# Altium PCB PcbForChargeController.PcbDoc (continued)
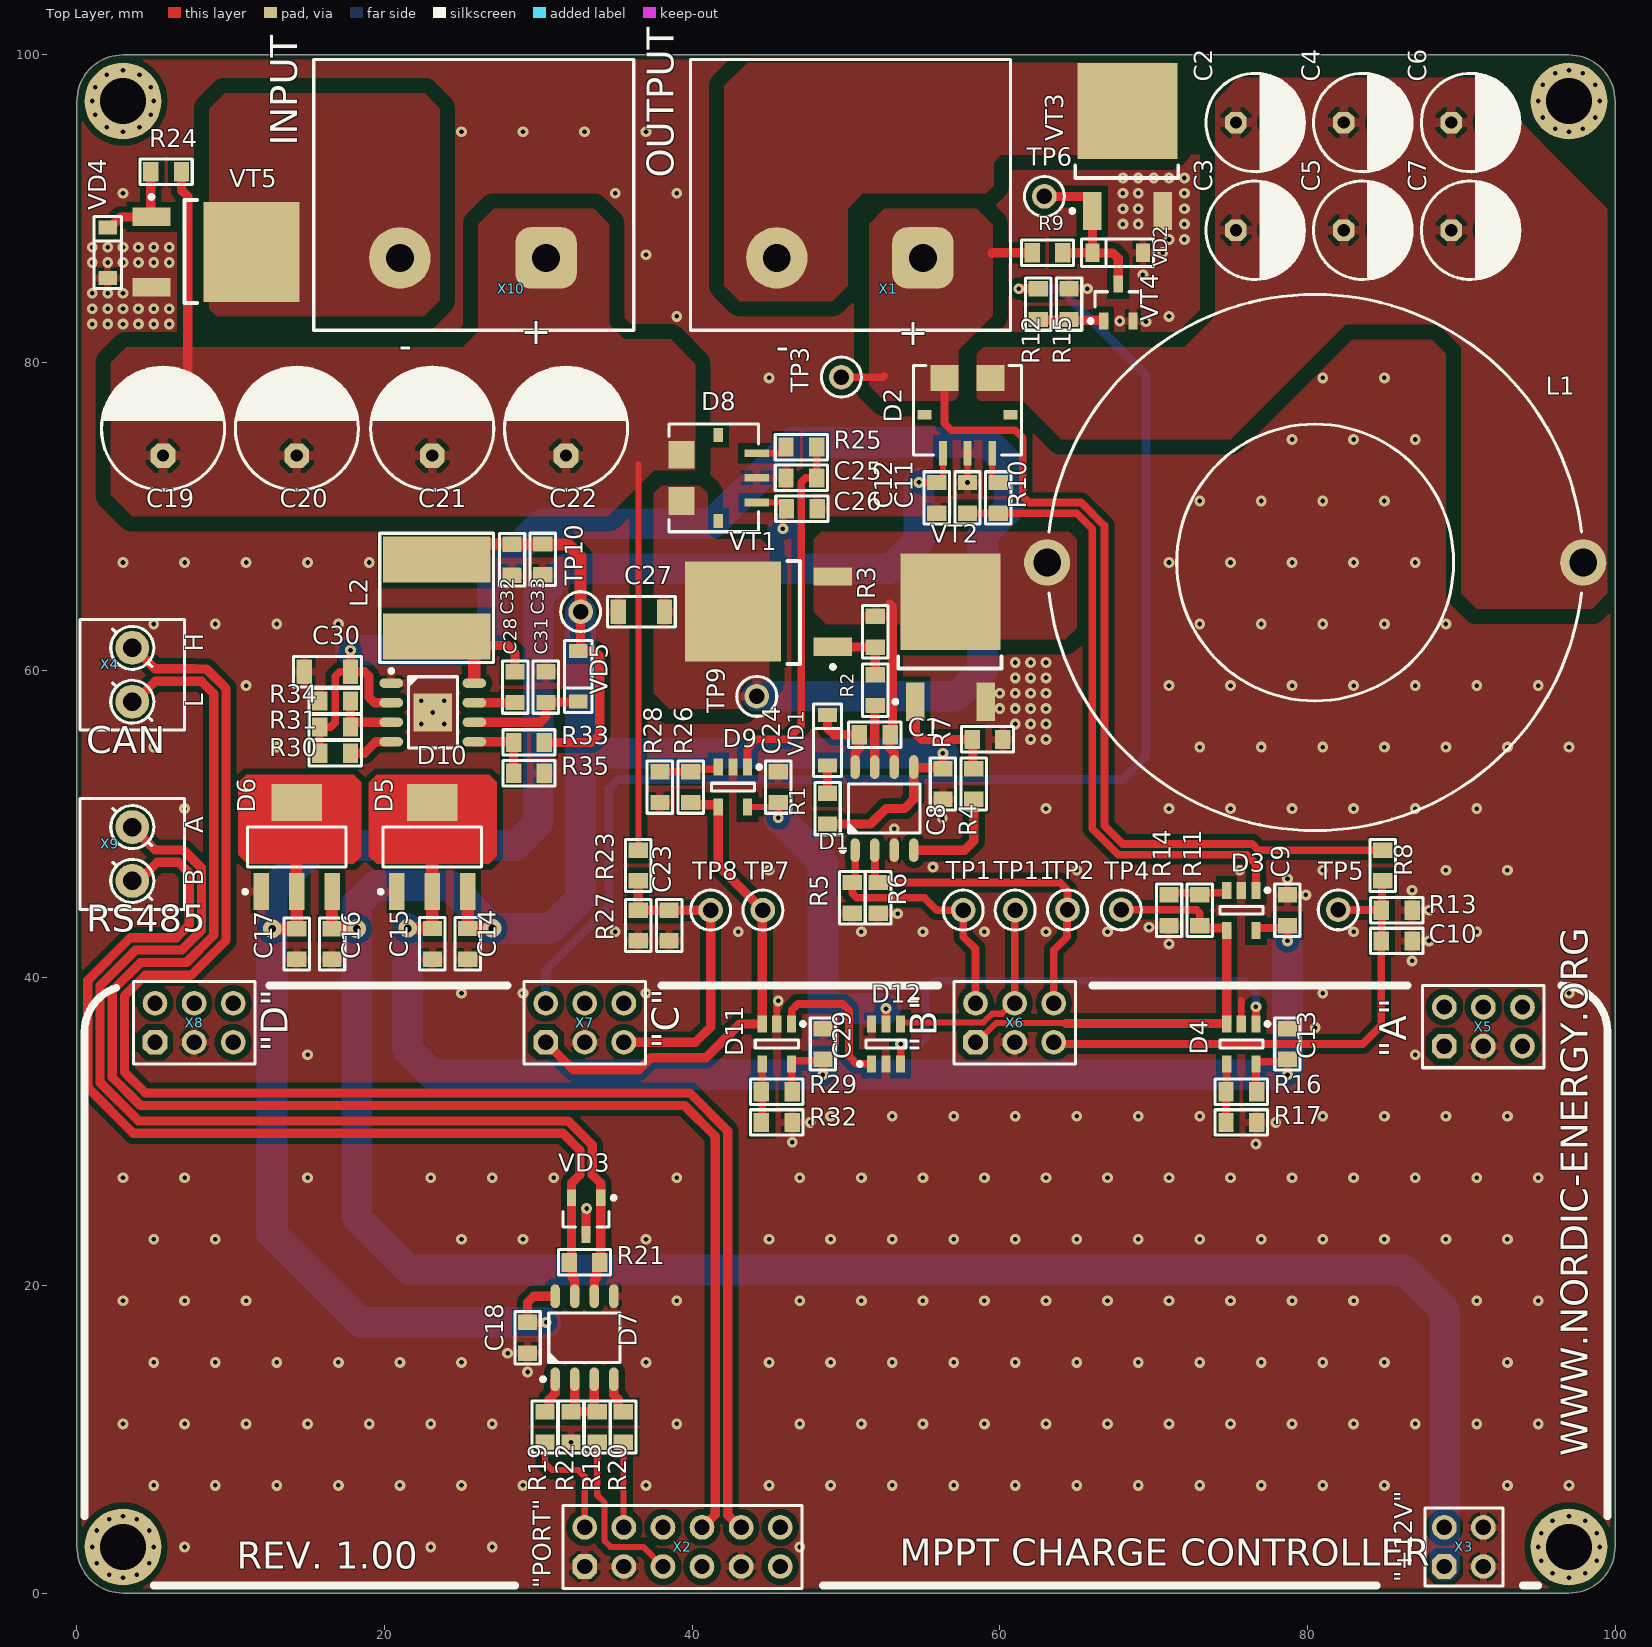
[diagram p0: Top Layer view]
## Footprints (in the part's own frame and the unit in brackets; to place one, negate y for a bottom-side part, rotate by r counter-clockwise, add the part's x,y. Pads: shape width x height; smd on the part's side, far side on the other; paste and mask are expansions set on the pad)
8-SOIC [mm] "pitch 1.27 mm"
  rrect100% 1.55x0.6 smd: 1(-2.7,1.905) 2(-2.7,0.635) 3(-2.7,-0.635) 4(-2.7,-1.905) 5(2.7,-1.905) 6(2.7,-0.635) 7(2.7,0.635) 8(2.7,1.905)
  round 0.7 on Mech1: 28(-2.395,1.8)
  silkscreen extent -2.82,-2.3 1.61,2.82, body extent -3,-2.45 3,2.45, height 1.75
8-SOIC-PAD [mm] "pitch 1.27 mm, power pad"
  round 0.7 hole 0.3: 0(-0.75,-0.75) 0(-0.75,0.75) 0(0,0) 0(0.75,-0.75) 0(0.75,0.75)
  rrect100% 1.55x0.6 smd: 1(-2.7,1.905) 2(-2.7,0.635) 3(-2.7,-0.635) 4(-2.7,-1.905) 5(2.7,-1.905) 6(2.7,-0.635) 7(2.7,0.635) 8(2.7,1.905)
  round 0.7 on Mech1: 28(-2.395,1.8)
  rect 2.5x2.5 smd: " 0"(0,0)
  silkscreen extent -2.82,-2.3 1.61,2.82, body extent -3,-2.45 3,2.45, height 1.75
"CAP: 0805" [mm]
  rect 1x1.25 smd: 1(-1,0) 2(1,0)
  silkscreen extent -1.7,-0.82 1.7,0.82, body extent -1,-0.62 1,0.63, height 0.78
"CAP: 1206" [mm]
  rect 1x1.6 smd: 1(-1.5,0) 2(1.5,0)
  silkscreen extent -2.2,-1 2.2,1, body extent -1.6,-0.8 1.6,0.8, height 1
"CAP: D6.3C2.5H11" [mm]
  oct 1.4x1.4 hole 0.8: 1(-1.25,0)
  round 1.4 hole 0.8: 2(1.25,0)
  silkscreen extent -3.2,-3.2 3.2,3.2, body extent -3.4,-3.4 3.4,3.4, height 12.5
"CAP: D8C3.5H12" [mm]
  oct 1.6x1.6 hole 0.8: 1(-1.75,0)
  round 1.6 hole 0.8: 2(1.75,0)
  silkscreen extent -4,-4 4,4, body extent -4.25,-4.25 4.25,4.25, height 13
"CON: 6PCV-02-006" [mm]
  rrect50% 4x4 hole 1.8: 1(0,0)
  round 4 hole 1.8: 2(9.5,0)
  round 0.5 on Mech1: ""(-5,4)
  round 0.5 on Top Overlay: ""(-5,4)
  silkscreen extent -5.7,-12.9 15.1,4.7, body extent -5.6,-13.2 15,4.58, height 15.96
"CON: 5001 (Keystone)" [mm]
  round 1.6 hole 1: 1(0,0)
  silkscreen extent -1.3,-1.3 1.3,1.3, body extent -1.27,-1.27 1.27,1.27, height 4.94
"CON: 5004 (Keystone)" [mm]
  round 1.6 hole 1: 1(0,0)
  silkscreen extent -1.3,-1.3 1.3,1.3, body extent -1.27,-1.27 1.27,1.27, height 4.94
"CON: DG350-3.5-02P" [mm]
  round 2.2 hole 1.2: 1(-1.75,0) 2(1.75,0)
  round 0.5 on Top Overlay: ""(-3.1,-2.9)
  silkscreen extent -3.6,-3.4 3.6,3.4, body extent -4,-3.4 4,3.4, height 8.4
"CON: PBD-4" [mm] "PBD-4"
  oct 1.6x1.6 hole 1: 1(-1.27,-1.27)
  round 1.6 hole 1: 2(-1.27,1.27) 3(1.27,-1.27) 4(1.27,1.27)
  silkscreen extent -2.54,-2.54 2.54,2.54, body extent -2.54,-2.54 2.54,2.54, height 8.53
"CON: PBD-6" [mm] "PBD-6"
  oct 1.6x1.6 hole 1: 1(-2.54,-1.27)
  round 1.6 hole 1: 2(-2.54,1.27) 3(0,-1.27) 4(0,1.27) 5(2.54,-1.27) 6(2.54,1.27)
  silkscreen extent -3.95,-2.68 3.95,2.68, body extent -3.81,-2.54 3.81,2.54, height 8.5
"CON: PBD-12" [mm] "PBD-12"
  oct 1.6x1.6 hole 1: 1(-6.35,-1.27)
  round 1.6 hole 1: 2(-6.35,1.27) 3(-3.81,-1.27) 4(-3.81,1.27) 5(-1.27,-1.27) 6(-1.27,1.27) 7(1.27,-1.27) 8(1.27,1.27) 9(3.81,-1.27) 10(3.81,1.27) 11(6.35,-1.27) 12(6.35,1.27)
  silkscreen extent -7.78,-2.7 7.78,2.7, body extent -7.61,-2.54 7.61,2.54, height 8.5
"DIODE: SOD123" [mm]
  rect 0.91x1.22 smd: 1(0,0) 2(3.275,0)
  round 0.5 on Mech1: 4(3,0.4)
  silkscreen extent -0.7,-0.9 4,0.9, body extent -0.25,-0.8 3.45,0.8, height 1.25
DPAK [mm]
  rect 2.5x1.2 smd: 1(-3.25,2.29) 2(-3.25,-2.29)
  rect 6.25x6.5 smd: 3(3.25,0)
  round 0.5 on Mech1: ""(-3.2,2.9)
  silkscreen extent -3.37,-3.3 -0.3,3.71, body extent -3.8,-3.32 6.3,3.42, height 2.37
"IND: R32.8/20.1/10.7 (L)" [mm]
  round 3 hole 1.8: 1(-17.427,0) 2(17.425,0)
  silkscreen extent -17.31,-17.43 17.31,17.43, body extent -17.43,-17.4 17.43,17.4, height 12.84
"IND: SDR0805" [mm]
  rect 3x7 smd: 1(-2.5,0) 2(2.5,0)
  silkscreen extent -4.2,-3.7 4.2,3.7, body extent -3.68,-3.75 3.68,3.75, height 5.08
"RES: 0805" [mm]
  rect 1x1.25 smd: 1(-1,0) 2(1,0)
  silkscreen extent -1.7,-0.82 1.7,0.82, body extent -1,-0.6 1,0.6, height 0.44
"SENSOR: ACS781" [mm]
  rect 0.5x1.6 smd: 1(-1.6,-2.5) 2(0,-2.5) 3(1.6,-2.5)
  rect 1.8x1.7 smd: 5(1.5,2.4) 6(-1.5,2.4)
  rect 0.9x0.6 smd: ""(-2.8,0) ""(2.8,0)
  round 0.5 on Mech1: ""(-2.7,-2.7)
  round 0.5 on Top Overlay: ""(-2.5,-3.2)
  silkscreen extent -3.5,-2.6 3.5,3.2, body extent -3.2,-3.15 3.2,3.25, height 1.46
SOT23 [mm]
  rect 1.1x0.6 smd: 1(-1.2,0.95) 2(-1.2,-0.95) 3(1.2,0)
  round 0.5 on Mech1: ""(-0.9,1.1)
  silkscreen extent -1.32,-1.5 0.7,1.92, body extent -1.32,-1.52 1.32,1.52, height 1.12
SOT23-5 [mm] "pitch 0.95 mm"
  rect 1.1x0.6 smd: 1(-1.3,0.95) 2(-1.3,0) 3(-1.3,-0.95) 4(1.3,-0.95) 5(1.3,0.95)
  round 0.5 on Mech1: ""(-1.1,1.1)
  silkscreen extent -1.42,-1.4 0.25,1.83, body extent -1.5,-1.5 1.5,1.5, height 1.3
SOT23-6 [mm] "pitch 0.95 mm"
  rect 1.1x0.6 smd: 1(-1.3,0.95) 2(-1.3,0) 3(-1.3,-0.95) 4(1.3,-0.95) 5(1.3,0) 6(1.3,0.95)
  round 0.5 on Mech1: ""(-1,1.1)
  silkscreen extent -1.42,-1.3 0.25,1.82, body extent -1.4,-1.45 1.4,1.45, height 1.45
SOT223 [mm] "SOT223, 4-Leads, Body 6,50x7,00mm (avg), Pitch 2,30mm, IPC Medium Density"
  rect 2.4x1 smd: 1(-2.9,2.3) 2(-2.9,0) 3(-2.9,-2.3)
  rect 2.4x3.3 smd: 4(2.9,0)
  round 0.5 on Mech1: ""(-3,2.7)
  silkscreen extent -3.02,-3.2 1.3,3.47, body extent -3.48,-3.25 3.48,3.25, height 1.65

## Part data
C1: library part Ceramic_0805, Manufacturer=Yageo, Package=0805, PartNumber=CC0805KKX7R8BB474, Temperature=-55...+125°C, Tolerance=±10%, TypeCapacitor="Ceramic capacitor", TypeDielectric=X7R, ValueManufacturerPartNumber="Ceramic capacitor, 0.47?F, X7R, ±10%, 25V, 0805, -55...+125°C", Voltage=25V, HelpURL=https://www.digikey.com/product-detail/en/yageo/CC0805KKX7R8BB474/311-1364-1-ND/2103148
C2 C3 C4 C5 C6 C7: library part Aluminium, Manufacturer="Aihua Group", Package="12x6.3x2.5 mm", PartNumber=SPZ1VM221E12O00, Temperature=-55...+105°C, Tolerance=±20%, TypeCapacitor="Aluminium polymer capacitor", ValueManufacturerPartNumber="Aluminium polymer capacitor, 220?F, 35V, ±20%, 30mOhm, 12x6.3x2.5 mm, -55...+105°C", Voltage=35V, HelpURL=https://lcsc.com/product-detail/Solid-Polymer-Electrolytic-Capacitor_220uF-35V_C171433.html, Impedance=30mOhm
C8 C32 C33: library part Ceramic_0805, Manufacturer=Samsung, Package=0805, PartNumber=CL21B106KOQNNNG, Temperature=-55...+125°C, Tolerance=±10%, TypeCapacitor="Ceramic capacitor", TypeDielectric=X7R, ValueManufacturerPartNumber="Ceramic capacitor, 10?F, X7R, ±10%, 16V, 0805, -55...+125°C", Voltage=16V, HelpURL=https://www.digikey.com/product-detail/en/samsung-electro-mechanics/CL21B106KOQNNNG/1276-6472-1-ND/5958100
C9 C12 C13 C14 C16 C18 C24 C26 C29: library part Ceramic_0805, Manufacturer=Yageo, Package=0805, PartNumber=CC0805KRX7R7BB104, Temperature=-55...+125°C, Tolerance=±10%, TypeCapacitor="Ceramic capacitor", TypeDielectric=X7R, ValueManufacturerPartNumber="Ceramic capacitor, 0.1?F, X7R, ±10%, 16V, 0805, -55...+125°C", Voltage=16V, HelpURL=https://www.digikey.com/product-detail/en/yageo/CC0805KRX7R7BB104/311-1142-1-ND/303052
C10 C11 C23 C25 C28: library part Ceramic_0805, Manufacturer=Yageo, Package=0805, PartNumber=CC0805KRX7R9BB103, Temperature=-55...+125°C, Tolerance=±10%, TypeCapacitor="Ceramic capacitor", TypeDielectric=X7R, ValueManufacturerPartNumber="Ceramic capacitor, 0.01?F, X7R, ±10%, 50V, 0805, -55...+125°C", Voltage=50V, HelpURL=https://www.digikey.com/product-detail/en/yageo/CC0805KRX7R9BB103/311-1136-1-ND/303046
C15 C17: library part Ceramic_0805, Manufacturer=Samsung, Package=0805, PartNumber=CL21B106KQQNNNE, Temperature=-55...+125°C, Tolerance=±10%, TypeCapacitor="Ceramic capacitor", TypeDielectric=X7R, ValueManufacturerPartNumber="Ceramic capacitor, 10?F, X7R, ±10%, 6.3V, 0805, -55...+125°C", Voltage=6.3V, HelpURL=https://www.digikey.com/product-detail/en/samsung-electro-mechanics/CL21B106KQQNNNE/1276-1113-1-ND/3889199
C19 C20 C21 C22: library part Aluminium, Manufacturer=Panasonic, Package="12x8x3.5 mm", PartNumber=63SXE33M, Temperature=-55...+105°C, Tolerance=±20%, TypeCapacitor="Aluminium capacitor", ValueManufacturerPartNumber="Aluminium capacitor, 33?F, 63V, ±20%, 25mOhm, 12x8x3.5 mm, -55...+105°C", Voltage=63V, HelpURL=https://www.digikey.com/products/en?keywords=%2063SXE33M, Impedance=25mOhm
C27 C30: library part Ceramic_1206, Manufacturer=Samsung, Package=1206, PartNumber=CL31B105KCHNNNE, Temperature=-55...+125°C, Tolerance=±10%, TypeCapacitor="Ceramic capacitor", TypeDielectric=X7R, ValueManufacturerPartNumber="Ceramic capacitor, 1?F, X7R, ±10%, 100V, 1206, -55...+125°C", Voltage=100V, HelpURL=https://www.digikey.com/product-detail/en/samsung-electro-mechanics/CL31B105KCHNNNE/1276-1838-1-ND/3889924
C31: library part Ceramic_0805, Manufacturer=Yageo, Package=0805, PartNumber=CC0805KKX7R7BB225, Temperature=-55...+125°C, Tolerance=±10%, TypeCapacitor="Ceramic capacitor", TypeDielectric=X7R, ValueManufacturerPartNumber="Ceramic capacitor, 2.2?F, X7R, ±10%, 16V, 0805, -55...+125°C", Voltage=16V, HelpURL=https://www.digikey.com/product-detail/en/yageo/CC0805KKX7R7BB225/311-1881-1-ND/5195783
D1: library part NCP5183DR2G, "Gate driver", CurrentOutput=±4.3A, Frequency=500kHz, Manufacturer="ON Semiconductor", Package=8-SOIC, Temperature=-40...+125°C, VoltageSupply="supply 9...18V", VoltageWork=600V, ComponentType="Half-bridge gate driver", HelpURL=https://www.digikey.com/product-detail/en/on-semiconductor/NCP5183DR2G/NCP5183DR2GOSCT-ND/7066807, PartNumber=NCP5183DR2G, ValueManufacturerPartNumber="Half-bridge gate driver, 600V, 500kHz, ±4.3A, supply 9...18V, -40...+125°C, 8-SOIC"
D2 D8: library part ACS780, "Current sensors", Manufacturer="Allegro MicroSystems", Package=7-PSOF, PartNumber=ACS780LLRTR-050U-T, Temperature=-40...+150°C, Accuracy=±1.5%, ComponentType="IC current sensors", GainBandwidth="120 kHz", HelpURL=https://www.digikey.com/product-detail/en/allegro-microsystems-llc/ACS780LLRTR-050U-T/620-1818-1-ND/6189107, Sensing=50A, Sensitivity=60mV/A, Supply=4.5...5.5V, ValueManufacturerPartNumber="IC current sensors, 50A, ±1.5%, 120 kHz, 60mV/A, -40...+150°C, 7-PSOF"
D3 D9: library part LMV321IDBVR, "OP amplifier", Manufacturer="Texas Instruments", Package=SOT23-5, Temperature=-40...+125°C, ComponentType="IC op amplifier", GainBandwidth="1 MHz", HelpURL=https://www.digikey.com/product-detail/en/texas-instruments/LMV321IDBVR/296-9567-1-ND/379849, OutputType=Rail-to-Rail, PartNumber=LMV321IDBVR, Supply=2.7...5.5V, ValueManufacturerPartNumber="IC op amplifier, Rail-to-Rail, 1 MHz, 2.7...5.5V, -40...+125°C, SOT23-5"
D4 D11: library part MCP6541T-I/OT, "Comparator", Manufacturer="Microchip Technology", Package=SOT23-5, Temperature=-40...+85°C, ComponentType="IC comparator", HelpURL=https://www.digikey.com/product-detail/en/microchip-technology/MCP6541T-I-OT/MCP6541T-I-OTCT-ND/3622387, OutputType=Rail-to-Rail, PartNumber=MCP6541T-I/OT, Supply=1.6...5.5V, ValueManufacturerPartNumber="IC comparator, Rail-to-Rail, 1.6...5.5V, -40...+85°C, SOT23-5"
D5: library part LDL1117S33R, "Linear voltage regulator", CurrentOutput=1.2A, Manufacturer=STMicroelectronics, Package=SOT223, Temperature=-40...+85°C, VoltageInput="input 3.9...18V", VoltageOutput="output 3.3V", ComponentType="Linear voltage regulator", HelpURL=https://www.digikey.com/product-detail/en/stmicroelectronics/LDL1117S33R/497-17239-1-ND/7102079, MaxDropout=0.6V, PartNumber=LDL1117S33R, ValueManufacturerPartNumber="Linear voltage regulator, input 3.9...18V, 0.6V, output 3.3V, 1.2A, -40...+85°C, SOT223"
D6: library part LDL1117S33R, "Linear voltage regulator", CurrentOutput=1.2A, Manufacturer=STMicroelectronics, Package=SOT-223, PartNumber=LDL1117S50R, Temperature=-40...+85°C, VoltageInput="input 5.6...18V", VoltageOutput="output 5V", ComponentType="Linear voltage regulator", HelpURL=https://www.digikey.com/product-detail/en/stmicroelectronics/LDL1117S50R/497-17240-6-ND/7102088, MaxDropout=0.6V, ValueManufacturerPartNumber="Linear voltage regulator, input 5.6...18V, 0.6V, output 5V, 1.2A, -40...+85°C, SOT-223"
D7: library part SN65HVD3082EDR, "RS485", Manufacturer="Texas Instruments", Package=8-SOIC, Temperature=-40...+85°C, ComponentType="IC RS485 transceiver", DataRate="200 kbps", HelpURL=https://www.digikey.com/product-detail/en/texas-instruments/SN65HVD3082EDR/296-31719-1-ND/3505195, PartNumber=SN65HVD3082EDR, Supply=4.5...5.5V, TypeDuplex=Half-duplex, ValueManufacturerPartNumber="IC RS485 transceiver, 200 kbps, Half-duplex, 4.5...5.5V, -40...+85°C, 8-SOIC"
D10: library part LM5017MRX, "Buck converter", CurrentOutput=0.6A, Frequency=1MHz, Manufacturer="Texas Instruments", Package=8-SOIC, PartNumber=LM5017MRX/NOPB, Temperature=-40...+125°C, VoltageInput="input 7.5...100V", VoltageOutput="output 1.225...90V", ComponentType="DC/DC buck converter", HelpURL=https://www.digikey.com/product-detail/en/texas-instruments/LM5017SD-NOPB/LM5017SD-NOPBCT-ND/3137455, ValueManufacturerPartNumber="DC/DC buck converter, input 7.5...100V, 1MHz, output 1.225...90V, 0.6A, -40...+125°C, 8-SOIC"
D12: library part SN74LVC1G332DBVR, "OR", Manufacturer="Texas Instruments", Package=SOT23-6, Temperature=-40...+125°C, ComponentType="IC logic OR", HelpURL=https://www.digikey.com/product-detail/en/texas-instruments/SN74LVC1G332DBVR/296-18587-1-ND/857355, PartNumber=SN74LVC1G332DBVR, Supply=1.65...5.5V, ValueManufacturerPartNumber="IC logic OR, 1.65...5.5V, -40...+125°C, SOT23-6"
L1: library part Inductor_R32.8/20.1/10.7, Manufacturer=Magnetics, Package=R32.8/20.1/10.7, PartNumber=0077548A7, Tolerance=±10%, TypeInductor="Fixed inductor", ValueManufacturerPartNumber="Fixed inductor, 30?H, ±10%, R32.8/20.1/10.7, Kool Mu, µ=125, 127 íÃí/âèòêîâ2", AL="127 íÃí/âèòêîâ2", HelpURL=http://ferrite.ru/warehouse/r-32-820-110-7-77548-a7.html, MaterialPermeability=µ=125, TypeMatiriel="Kool Mu"
L2: library part Inductor_SDR0805, Manufacturer=Bourns, MaxCurrent=490mA, Package=SDR0805, PartNumber=SDR0805-221KL, Temperature=-40...+125°C, Tolerance=±10%, TypeInductor="Fixed inductor", ValueManufacturerPartNumber="Fixed inductor, 220?H, ±10%, SDR0805, 490mA, -40...+125°C", HelpURL=https://www.digikey.com/product-detail/en/bourns-inc/SDR0805-221KL/SDR0805-221KLCT-ND/2127164
R1 R2 R4: library part Resistor_0805, Manufacturer=Yageo, Package=0805, PartNumber=RC0805JR-072R4L, Power=0.125W, Temperature=-55...+125°C, Tolerance=±5%, TypeResistor="Resistor film", HelpURL=https://www.digikey.com/product-detail/en/yageo/RC0805JR-072R4L/311-2.4ARCT-ND/731220, ValueManufacturerPartNumber="Resistor film, 2R4, ±5%, 0805, 0.125W, -55...+125°C"
R3 R5 R6 R7 R9 R15 R17 R22 R24 R32: library part Resistor_0805, Manufacturer=Yageo, Package=0805, PartNumber=RC0805JR-0710KL, Power=0.125W, Temperature=-55...+125°C, Tolerance=±5%, TypeResistor="Resistor film", HelpURL=https://www.digikey.com/product-detail/en/yageo/RC0805JR-0710KL/311-10KARCT-ND/731188, ValueManufacturerPartNumber="Resistor film, 10k, ±5%, 0805, 0.125W, -55...+125°C"
R8 R23 R31: library part Resistor_0805, Manufacturer=Yageo, Package=0805, PartNumber=RC0805FR-07100KL, Power=0.125W, Temperature=-55...+125°C, Tolerance=±1%, TypeResistor="Resistor film", HelpURL=https://www.digikey.com/product-detail/en/yageo/RC0805FR-07100KL/311-100KCRCT-ND/730491, ValueManufacturerPartNumber="Resistor film, 100k, ±1%, 0805, 0.125W, -55...+125°C"
R10 R12 R18 R19 R20 R25: library part Resistor_0805, Manufacturer=Yageo, Package=0805, PartNumber=RC0805JR-07100RL, Power=0.125W, Temperature=-55...+125°C, Tolerance=±5%, TypeResistor="Resistor film", HelpURL=https://www.digikey.com/product-detail/en/yageo/RC0805JR-07100RL/311-100ARCT-ND/731185, ValueManufacturerPartNumber="Resistor film, 100R, ±5%, 0805, 0.125W, -55...+125°C"
R11 R13 R14 R26 R28 R34 R35: library part Resistor_0805, Manufacturer=Yageo, Package=0805, PartNumber=RC0805FR-0710KL, Power=0.125W, Temperature=-55...+125°C, Tolerance=±1%, TypeResistor="Resistor film", HelpURL=https://www.digikey.com/product-detail/en/yageo/RC0805FR-0710KL/311-10.0KCRCT-ND/730482, ValueManufacturerPartNumber="Resistor film, 10k, ±1%, 0805, 0.125W, -55...+125°C"
R16 R29: library part Resistor_0805, Manufacturer=Yageo, Package=0805, PartNumber=RC0805JR-071KL, Power=0.125W, Temperature=-55...+125°C, Tolerance=±5%, TypeResistor="Resistor film", HelpURL=https://www.digikey.com/product-detail/en/yageo/RC0805JR-071KL/311-1.0KARCT-ND/731165, ValueManufacturerPartNumber="Resistor film, 1k, ±5%, 0805, 0.125W, -55...+125°C"
R21: library part Resistor_0805, Manufacturer=Yageo, Package=0805, PartNumber=RC0805JR-07120RL, Power=0.125W, Temperature=-55...+125°C, Tolerance=±5%, TypeResistor="Resistor film", HelpURL=https://www.digikey.com/product-detail/en/yageo/RC0805JR-07120RL/311-120ARCT-ND/731194, ValueManufacturerPartNumber="Resistor film, 120R, ±5%, 0805, 0.125W, -55...+125°C"
R27: library part Resistor_0805, Manufacturer=Yageo, Package=0805, PartNumber=RC0805FR-074K7L, Power=0.125W, Temperature=-55...+125°C, Tolerance=±1%, TypeResistor="Resistor film", HelpURL=https://www.digikey.com/product-detail/en/yageo/RC0805FR-074K7L/311-4.70KCRCT-ND/730876, ValueManufacturerPartNumber="Resistor film, 4k7, ±1%, 0805, 0.125W, -55...+125°C"
R30: library part Resistor_0805, Manufacturer=Yageo, Package=0805, PartNumber=RC0805JR-07510KL, Power=0.125W, Temperature=-55...+125°C, Tolerance=±5%, TypeResistor="Resistor film", HelpURL=https://www.digikey.com/product-detail/en/yageo/RC0805JR-07510KL/311-510KARCT-ND/731291, ValueManufacturerPartNumber="Resistor film, 510k, ±5%, 0805, 0.125W, -55...+125°C"
R33: library part Resistor_0805, Manufacturer=Yageo, Package=0805, PartNumber=RC0805FR-0788K7L, Power=0.125W, Temperature=-55...+125°C, Tolerance=±1%, TypeResistor="Resistor film", HelpURL=https://www.digikey.com/product-detail/en/yageo/RC0805FR-0788K7L/311-88.7KCRCT-ND/731128, ValueManufacturerPartNumber="Resistor film, 88k7, ±1%, 0805, 0.125W, -55...+125°C"
TP1 TP2 TP3 TP4 TP5 TP6 TP7 TP8 TP9 TP10 TP11: library part Connector_Test_Point, Manufacturer=Keystone, PartNumber=5001, HelpURL=https://www.digikey.com/product-detail/en/keystone-electronics/5001/36-5001-ND/255327, TypeConnector="Test point", ValueManufacturerPartNumber="Test point, Keystone, 5001"
VD1 VD5: library part Schottky_single, Current=500mA, Manufacturer="Diodes Incorporated", Package=SOD-123, PartNumber=MBR0580S1-7, Temperature=-55...+150°C, Voltage=80V, VoltageDrop=1V, HelpURL=https://www.digikey.com/product-detail/en/diodes-incorporated/MBR0580S1-7/MBR0580S1-7DICT-ND/5080371, RecoveryTime=15pF, TypeDiode="Schottky diode", ValueManufacturerPartNumber="Schottky diode, 80V, 500mA, 1V, 15pF, SOD-123, -55...+150°C"
VD2 VD4: library part Zener_single, Current=500mW, Manufacturer="Diodes Incorporated", Package=SOD-123, PartNumber=MMSZ5246B-7-F, Temperature=-65...+150°C, Voltage=16V, VoltageDrop=0.9V, HelpURL=https://www.digikey.com/product-detail/en/diodes-incorporated/MMSZ5246B-7-F/MMSZ5246B-FDICT-ND/717912, RecoveryTime=17Ohm, TypeDiode="Zener diode", ValueManufacturerPartNumber="Zener diode, 16V, 500mW, 0.9V, 17Ohm, SOD-123, -65...+150°C"
VD3: library part TVS_array, Current="350W peak", Manufacturer="ON Semiconductor", Package=SOT-23, PartNumber=SZNUP2105LT1G, Temperature=-55...+150°C, Voltage=24V, VoltageDrop=0.9V, HelpURL=https://www.digikey.com/product-detail/en/on-semiconductor/SZNUP2105LT1G/SZNUP2105LT1GOSCT-ND/3487669, RecoveryTime=30pF, TypeDiode="TVS diode", ValueManufacturerPartNumber="TVS diode, 24V, 350W peak, 0.9V, 30pF, SOT-23, -55...+150°C"
VT1 VT2 VT3 VT5: library part MOSFET_N_132, CurrentDS=90A, InputCapacitor=4750pF, Manufacturer="Infineon Technologies", MaxPower=150W, Package=Dpak, PartNumber=IPD053N08N3GATMA1, Temperature=-55...+150°C, VoltageDS=80V, GateCharge=69nC, HelpURL=https://www.digikey.com/product-detail/en/infineon-technologies/IPD053N08N3GATMA1/IPD053N08N3GATMA1CT-ND/5353500, RDS=5.3mOhm, TypeTransistor="MOSFET N-channel transistor", ValueManufacturerPartNumber="MOSFET N-channel transistor, 80V, 90A, 69nC, 150W, 5.3mOhm, 4750pF, Dpak, -55...+150°C"
VT4: library part MOSFET_N_132, CurrentDS=5.3A, InputCapacitor=382pF, Manufacturer="Infineon Technologies", MaxPower=2.5W, Package=SOT-23, PartNumber=IRLML0030TRPBF, Temperature=-55...+150°C, VoltageDS=30V, GateCharge=2.6nC, HelpURL=https://www.digikey.com/product-detail/en/infineon-technologies/IRLML0030TRPBF/IRLML0030TRPBFCT-ND/2202231, RDS=27mOhm, TypeTransistor="MOSFET N-channel transistor", ValueManufacturerPartNumber="MOSFET N-channel transistor, 30V, 5.3A, 2.6nC, 2.5W, 27mOhm, 382pF, SOT-23, -55...+150°C"
X1 X10: library part Connector_6PCV-02, CurrentMax=25A, Manufacturer="TE Connectivity", PartNumber=6PCV-02-006, VoltageMax=300VAC, CommentText="\"Solar panel\"", HelpURL=https://www.digikey.com/products/en?keywords=6PCV-02-006, Multichannel=2pin, Pitch=9.53mm, TypeConnector=Connector, ValueManufacturerPartNumber="Connector, 2pin, 9.53mm, 300VAC, 25A"
X2: library part PBD-12, CurrentMax=3A, Manufacturer=Connfly, VoltageMax=500VAC, CommentText="\"Èíòåðôåéñû\"", HelpURL=https://www.chipdip.ru/product/pbd-12, Multichannel=12pin, PartNumber=PBD-12, Pitch=2.54mm, TypeConnector=Connector, ValueManufacturerPartNumber="Connector, 12pin, 2.54mm, 500VAC, 3A"
X3: library part PBD-4, CurrentMax=3A, Manufacturer=Connfly, VoltageMax=500VAC, CommentText="\"Ïèòàíèå\"", HelpURL=https://www.chipdip.ru/product/pbd-4, Multichannel=4pin, PartNumber=PBD-4, Pitch=2.54mm, TypeConnector=Connector, ValueManufacturerPartNumber="Connector, 4pin, 2.54mm, 500VAC, 3A"
X4 X9: library part Connector_terminal_2pin, CurrentMax=10A, Manufacturer=Degson, PartNumber=DG350-3.5-02P-14, VoltageMax=300VAC, HelpURL=https://www.chipdip.ru/product/dg350-3.5-02p-12, Multichannel=2pin, Pitch=3.5mm, TypeConnector="Terminal connector", ValueManufacturerPartNumber="Terminal connector, 2pin, 3.5mm, 300VAC, 10A"
  X4: CommentText="\"CAN bus\""
  X9: CommentText="\"Modbus RTU\""
X5 X6 X7 X8: library part PBD-6, CurrentMax=3A, Manufacturer=Connfly, VoltageMax=500VAC, HelpURL=https://www.chipdip.ru/product/pbd-6, Multichannel=6pin, PartNumber=PBD-6, Pitch=2.54mm, TypeConnector=Connector, ValueManufacturerPartNumber="Connector, 6pin, 2.54mm, 500VAC, 3A"
  X5: CommentText="\"Êàíàë À\""
  X6: CommentText="\"Êàíàë Â\""
  X7: CommentText="\"Êàíàë Ñ\""
  X8: CommentText="\"Êàíàë D\""

## Free pads (board coordinates)
  round 5 hole 3: ""(3,3) ""(3,97) ""(97,3) ""(97,97)

## Via types
v1: diameter 0.7, hole 0.3, Top Layer to Bottom Layer, tented both sides, 367 vias
v2: diameter 1.2, hole 0.5, Top Layer to Bottom Layer, tented both sides, 4 vias

## Nets (pads, with @x,y where several pads share a name; then routed paths per layer and width w, separated by ;. In a path a pad name is that pad's centre, name@x,y a point inside that pad or via, vN(x,y) a via of type N, cw(c..) or ccw(c..) an arc to the next point about the centre after c; other vN are vias at no path point)
ADC-IIN: D9.4 D11.3 R26.1 TP7.1 X7.1 | length 33.4
  Top Layer w0.6: X7.1 32.29,34 36.5,34 37.3,34.8 40.9,34.8 43.1,37 D11.3 44.55,44.35 TP7.1 41.7,47.3 D9.4 41.7,51.2 41.65,51.25 40.05,51.25 R26.1
ADC-IOUT: D3.4 D4.3 R11.1 TP4.1 X6.1 | length 30.9
  Top Layer w0.4: X6.1 58.496,35.81 59.746,37.06 64.265,37.06 64.3,37.025
  Top Layer w0.5: TP4.1 72.78,44.42 73,44.2 R11.1
  Top Layer w0.6: 64.3,37.025 74.75,37.025 D3.4 74.75,43.24 73.15,43.24 R11.1
ADC-VIN: C23.2 R23.2 R27.1 TP8.1 X7.5 | length 20.3
  Top Layer w0.6: X7.5 40.21,35.81 41.2,36.8 TP8.1 C23.2 R27.1 R23.2
ADC-VOUT: C10.2 R8.2 R13.1 TP5.1 X6.5 | length 34.1
  Top Layer w0.5: X6.5 63.61,35.7 83.6,35.7 84.8,36.9 C10.2 84.85,42.45 84.85,46.25 R8.2 ; TP5.1 82.01,44.41 84.79,44.41 R13.1
CAN-H: X2.10 X4.1 | length 103.6
  Top Layer w0.6: X4.1 3.728,61.45 5.078,60.1 7.62,60.1 ; 7.62,60.08 8.425,60.08 9.7,58.805 9.7,42.437 7.436,40.173 4.447,40.173 3.1,38.826 3.1,33.863 4.443,32.52 6.617,32.52 39.84,32.52 42.32,30.04 42.32,5.08 43.18,4.22 X2.10
CAN-L: X2.8 X4.2 | length 102.2
  Top Layer w0.6: X4.2 3.768,57.95 5.098,59.28 8.093,59.28 8.9,58.473 8.9,42.769 7.131,41 4.142,41 2.3,39.158 2.3,33.531 4.131,31.7 6.437,31.7 39.5,31.7 41.5,29.7 41.5,5.1 40.64,4.24 X2.8
DISABLE: R12.1 X7.2 | length 88.1
  Top Layer w0.6: v1(61.236,84.8) R12.1
  Bottom Layer w0.6: X7.2 30.48,40.48 34.6,44.6 34.6,52.3 35.2,52.9 67.97,52.9 69.5,54.43 69.5,79.203 63.903,84.8 v1(61.236,84.8)
FAULT: D12.4 TP11.1 X6.4 | length 14
  Top Layer w0.4: D12.4 53.65,37.1 58.938,37.1 59.498,37.66 60.14,37.66 60.83,38.35 X6.4
  Top Layer w0.5: X6.4 60.98,38.37 60.98,44.38 TP11.1
GND: "D10. 0" C2.2 C3.2 C4.2 C5.2 C6.2 C7.2 C8.1 C9.1 C10.1 C11.1 C12.1 C13.1 C14.1 C15.1 C16.1 C17.1 C18.1 C19.2 C20.2 C21.2 C22.2 C23.1 C24.1 C25.1 C26.1 C27.1 C29.1 C30.1 C31.1 C32.1 C33.1 D1.3 D2.2 D3.2 D4.2 D5.1 D6.1 D7.5 D8.2 D9.2 D10.0 D10.1 D11.2 D12.2 D12.6 R5.2 R6.2 R7.2 R13.2 R14.2 R15.2 R17.2 R22.2 R27.2 R28.2 R32.2 R34.2 R35.2 VD2.1 VD3.3 VD4.1 VT2.2 VT3.2 VT4.2 VT5.2 X2.1 X2.3 X2.9 X3.3 X3.4 X5.3 X6.3 X7.3 X8.3 | length 6.5
  Top Layer w0.4: D11.2 45.5,38.361 v1@45.509,38.37 ; v1(57.9,72.2) D2.2 ; D4.2 75.7,38.561
  Top Layer w0.6: VD3.3 v1@33.1,24.964
  other v1: 7,3 23,3 27,3 47,3 5,7 9,7 13,7 17,7 21,7 25,7 29,7 37,7 45,7 49,7 53,7 57,7 61,7 65,7 69,7 73,7 77,7 81,7 85,7 93,7 97,7 32.125,9.8 3,11 7,11 11,11 15,11 19,11 23,11 27,11 39,11 47,11 51,11 55,11 59,11 63,11 67,11 71,11 75,11 79,11 83,11 87,11 91,11 95,11 29.3,14.375 5,15 9,15 13,15 17,15 21,15 25,15 37,15 45,15 49,15 53,15 57,15 61,15 65,15 69,15 73,15 77,15 81,15 85,15 93,15 28,15.6 3,19 7,19 11,19 39,19 47,19 51,19 55,19 59,19 63,19 67,19 71,19 75,19 79,19 83,19 91,19 95,19 5,23 9,23 25,23 29,23 37,23 45,23 49,23 53,23 57,23 61,23 65,23 69,23 73,23 77,23 81,23 85,23 89,23 93,23 33.136,25 3,27 7,27 15,27 23,27 27,27 31,27 39,27 47,27 51,27 55,27 59,27 63,27 67,27 71,27 75,27 79,27 83,27 87,27 91,27 95,27 76.65,29.2 46.5,29.314 47.675,30.6 77.944,30.6 49,31 53,31 57,31 61,31 65,31 69,31 73,31 81,31 85,31 89,31 93,31 15,35 87,35 80.5,36.766 45.6,38.5 25,39 29,39 37,39 81,39 97,39 86.8,41.1 71,42.204 87.897,42.398 35,43 43,43 51,43 55,43 59,43 63,43 67,43 83,43 91,43 69.7,43.286 53.356,44.165 87.897,44.4 79.9,45.39 86.8,45.69 78.7,46.44 45,47 65,47 75.6,47 81,47 89,47 93,47 55.65,47.2 53.135,49.69 56.25,50.389 7,51 63,51 71,51 75,51 79,51 83,51 87,51 91,51 5,55 13,55 73,55 77,55 81,55 85,55 89,55 93,55 97,55 62,55.5 63,55.5 61,56.5 62,56.5 63,56.5 60,57.5 61,57.5 62,57.5 63,57.5 60,58.5 61,58.5 62,58.5 63,58.5 11,59 71,59 75,59 79,59 83,59 87,59 91,59 95,59 61,59.5 62,59.5 63,59.5 61,60.5 62,60.5 63,60.5 5,63 9,63 13,63 17,63 73,63 77,63 81,63 85,63 89,63 3,67 7,67 11,67 15,67 19,67 71,67 75,67 79,67 83,67 87,67 73,71 77,71 81,71 85,71 79,75 83,75 87,75 45,79 81,79 85,79 1,82.5 2,82.5 3,82.5 4,82.5 5,82.5 6,82.5 69.5,82.654 67.8,82.7 39,83 71,83 1,83.5 2,83.5 3,83.5 4,83.5 5,83.5 6,83.5 1,84.5 2,84.5 3,84.5 65.693,84.8 69.3,85.7 1,86.5 2,86.5 3,86.5 4,86.5 5,86.5 6,86.5 37,87 70.59,87.145 1,87.5 2,87.5 3,87.5 4,87.5 5,87.5 6,87.5 71,88 72,88 68,89 69,89 72,89 68,90 69,90 72,90 3,91 35,91 39,91 68,91 69,91 72,91 68,92 69,92 70,92 71,92 72,92 25,95 29,95 33,95 37,95
NetC1_1: C1.1 D1.6 L1.2 R3.2 VT1.2 VT2.3 | length 10.9
  Top Layer w0.6: 52.825,64.3 53.025,64.1 53.025,55.96 C1.1 52.865,54.9 53.135,54.63 D1.6
NetC1_2: C1.2 D1.8 VD1.2 | length 5.3
  Top Layer w0.6: VD1.2 48.8,56.24 49.24,55.8 C1.2 50.865,54.9 50.595,54.63 D1.8
NetC11_2: C11.2 D3.1 R10.1 | length 41.2
  Top Layer w0.5: C11.2 R10.1 65.01,70.2 66.01,69.2 66.01,49.69 67.7,48 76.05,48 76.65,47.4 D3.1@76.65,45.79
NetC19_1: C19.1 C20.1 C21.1 C22.1 D8.5 R23.1 R24.1 X10.1 | length 39
  Top Layer w0.4: R23.1 36.5,73.4
  Top Layer w0.6: R24.1 6.8,91.2 7.2,90.8 7.2,78.66
NetC25_2: C25.2 D9.1 R25.1 | length 24.2
  Top Layer w0.5: D9.1 43.6,54.9 44.2,55.5 46.2,55.5 47.1,56.4 47.1,72.207 47.393,72.5 C25.2 R25.1
NetC28_1: C28.1 D10.8 L2.2 | length 9.3
  Top Layer w0.6: L2.2 23.99,61.6 25.34,61.6 27.99,61.6 28.49,61.1 C28.1
  Top Layer w0.8: L2.2@25.34,61.6 25.84,61.1 D10.8@25.84,59.3
NetC28_2: C28.2 D10.7 | length 2.7
  Top Layer w0.6: D10.7 28.475,57.885 C28.2
NetC31_2: C31.2 D10.6 VD5.2 | length 7.9
  Top Layer w0.6: D10.6 30.138,56.615 30.49,56.966 C31.2 30.52,57.931 32.559,57.931 VD5.2
NetD1_4: D1.4 R4.1 | length 6.8
  Top Layer w0.6: D1.4 57.7,48.3 58.3,48.9 R4.1
NetD1_7: D1.7 R2.1 | length 4
  Top Layer w0.6: D1.7 51.865,57.665 R2.1
NetD2_3: D2.3 R10.2 | length 2.1
  Top Layer w0.4: D2.3 59.5,72.5 59.8,72.2 R10.2
NetD2_6: D2.6 R8.1 R9.1 TP3.1 X1.1 | length 62.1
  Top Layer w0.5: TP3.1 52.393,79.05 52.493,79.15 ; D2.6 56.4,76.05 56.85,75.6 61,75.6 61.5,75.1 61.5,71.3 61.9,70.9 65.229,70.9 65.3,70.9 66.8,69.4 66.8,49.9 68,48.7 76.4,48.7 76.8,48.3 R8.1
  Top Layer w0.6: 59.5,87.1 59.538,87.138 R9.1 R9.1@62.15,87.138
NetD3_3: D3.3 R11.2 R14.1 | length 3.9
  Top Layer w0.5: R14.1 71.15,45.54 74.7,45.54 74.75,45.59 D3.3
NetD4_4: D4.4 R16.2 R17.1 | length 3.8
  Top Layer w0.5: R17.1 74.7,31.975 74.75,32.025 D4.4
NetD7_1: D7.1 R19.2 | length 2.5
  Top Layer w0.6: R19.2@30.38,11.8 R19.2 30.505,11.8 30.705,12 30.705,12.605 31.095,12.995 D7.1
NetD7_2: D7.2 D7.3 R18.2 R22.1 | length 6.1
  Top Layer w0.6: R22.1 R22.1@32.165,11.8 ; D7.2 32.365,12 R22.1@32.165,11.8 ; D7.3 33.635,11.99 R18.2 R22.1@32.165,11.8
NetD7_4: D7.4 R20.2 | length 2.4
  Top Layer w0.6: D7.4 34.905,12.895 35.2,12.6 35.2,12 35.4,11.8 R20.2
NetD8_3: D8.3 R25.2 | length 2.5
  Top Layer w0.4: D8.3 R25.2@46.2,74.1 ; R25.2@45.8,74.1 46.1,74.4 R25.2
NetD9_3: D9.3 R26.2 R28.1 | length 4
  Top Layer w0.5: R28.1 R26.2 40.05,53.55 41.65,53.55 41.7,53.6 D9.3
NetD10_3: D10.3 R31.1 R34.1 | length 4.4
  Top Layer w0.6: R31.1 R31.1@17.79,56.415 ; R34.1 R31.1@17.79,56.415 ; D10.3 17.99,56.615 R31.1@17.79,56.415
NetD10_4: D10.4 R30.2 | length 3
  Top Layer w0.6: R30.2 18.69,54.6 19.435,55.345 D10.4
NetD10_5: D10.5 R33.1 R35.1 | length 4.6
  Top Layer w0.6: D10.5 28.345,55.345 R33.1 R35.1
NetD11_4: D11.4 R29.2 R32.1 | length 3.8
  Top Layer w0.5: R32.1 44.55,30.65 D11.4
NetR1_2: R1.2 VD1.1 | length 1.8
  Top Layer w0.6: R1.2 VD1.1
NetR2_2: R2.2 R3.1 VT1.1 | length 4.6
  Top Layer w0.6: VT1.1 49.155,61.505 51.895,61.505 R3.1 R2.2
NetR4_2: R4.2 R7.1 VT2.1 | length 7.9
  Top Layer w0.6: VT2.1 54.51,55.89 54.9,55.5 R7.1 58.25,55.45 58.25,53.65 R4.2
NetR9_2: R9.2 TP6.1 VD2.2 VT3.1 VT4.3 | length 12.3
  Top Layer w0.6: TP6.1@62.7,90.5 TP6.1@62.9,90.5 ; TP6.1 65.76,90.8 66.01,90.55 VT3.1 66.017,89.843 66.017,87.145 VD2.2 ; R9.2 VD2.2 ; VT4.3 67.7,86.769 67.349,87.12 66.042,87.12 VD2.2
NetR12_2: R12.2 R15.1 VT4.1 | length 4.3
  Top Layer w0.6: R12.2 62.55,82.75 66.75,82.75 VT4.1
NetR24_2: R24.2 VD4.2 VT5.1 | length 6.1
  Top Layer w0.6: VD4.2 2.155,88.775 2.845,89.465 VT5.1 4.8,89.515 R24.2
NetVT3_3: VT3.3 X1.2
NetVT5_3: VT5.3 X10.2
OCP-INPUT: D11.1 D12.1 | length 9.6
  Top Layer w0.5: D11.1 46.475,37.025 46.475,37.9 46.875,38.3 49.8,38.3 50.2,37.9 50.2,34.9 50.7,34.4 D12.1
OCP-OUTPUT: D4.1 D12.3 | length 30.4
  Top Layer w0.5: D12.3 v1(53.55,35.7) ; D4.1 76.6,37.05 76.65,37.1 v1(76.65,38.125)
  Bottom Layer w0.5: v1(53.55,35.7) 54.8,35.7 55.2,36.1 55.2,39.3 55.7,39.8 75.95,39.8 76.65,39.1 v1(76.65,38.125)
PWM-CH1: D1.1 R5.1 TP1.1 X6.2 | length 16.9
  Top Layer w0.5: D1.1 50.595,46.395 R5.1 50.4,45.5 50.7,45.2 55.1,45.2 55.9,44.4 TP1.1 57.62,42.68 58.42,41.88 X6.2
PWM-CH2: D1.2 R6.1 TP2.1 X6.6 | length 22.4
  Top Layer w0.5: D1.2 51.884,48.281 51.884,46.416 R6.1 63.9,46.2 64.4,45.7 TP2.1 64.37,44.39 64.37,42.67 63.5,41.8 X6.6
RS485-A: D7.6 R21.1 VD3.1 X9.1 | length 68
  Top Layer w0.6: X9.1 5.091,48.309 6.931,48.309 8.1,47.14 8.1,43.1 6.8,41.8 3.811,41.8 1.5,39.489 1.5,33.2 4,30.7 31.931,30.7 33.5,29.131 33.5,27.2 34.05,26.65 VD3.1 34.05,21.825 33.825,21.6 33.8,21.6 33.8,20.5 33.635,20.335 D7.6
RS485-B: D7.7 R21.2 VD3.2 X9.2 | length 66.4
  Top Layer w0.6: X9.2 4.011,46.3 5.219,47.509 6.6,47.509 7.3,46.809 7.3,43.431 6.469,42.6 3.479,42.6 0.7,39.821 0.7,32.869 3.669,29.9 31.6,29.9 32.7,28.8 32.7,27.2 32.15,26.65 VD3.2 32.15,21.65 32.2,21.6 32.2,20.5 32.365,20.335 D7.7
RS485-DIR: R18.1 X2.5 | length 11.1
  Top Layer w0.4: R18.1 33.825,6.375 34.3,5.9 34.3,3.4 34.7,3 36.83,3 X2.5
USART2-RX: R19.1 X2.2 | length 7.6
  Top Layer w0.4: R19.1 30.425,8.48 30.905,8 32.6,8 33.02,7.58 X2.2
USART2-TX: R20.1 X2.4 | length 5.5
  Top Layer w0.4: X2.4@35.543,4.287 R20.1@35.543,9.783
  Top Layer w0.6: R20.1 R20.1@35.543,9.783 ; X2.4@35.543,4.287 X2.4
VCC3V3: C9.2 C13.2 C15.2 C24.2 C29.2 D3.5 D4.5 D5.2 D5.4 D9.5 D11.5 D12.5 R16.1 R29.1 | length 123.7
  Top Layer w0.4: D9.5 C24.2@45.6,51.1
  Top Layer w0.5: v1(45.6,50.4) 45.6,51.1 C24.2 ; R29.1 46.475,32.625 46.475,34.375 D11.5 46.45,34.55 46.5,34.6 48.5,34.6 C29.2 C29.2@48.5,34.8 ; v1(48.5,33.7) C29.2@48.5,34.5 ; D12.5 v1(52.6,38) ; D3.5 76.65,43.19 76.7,43.24 78.55,43.24 C9.2 v1(78.7,42.4) ; R16.1 76.65,32.55 D4.5 76.65,34.5 76.7,34.55 78.55,34.55 C13.2 v1(78.7,33.7)
  Top Layer w0.8: v2(21.51,43.209) 23.1,43.209 C15.2@23.105,43.214 ; D5.4 D5.2 23.105,45.595 C15.2@23.105,43.214 ; C15.2 C15.2@23.105,43.214
  Bottom Layer w2: v2(21.51,43.209) 21.51,35.329 23.14,33.7 v1(48.5,33.7) ; v1(45.6,50.4) 48.5,47.5 48.5,37.9 ; v1(52.6,38) 48.6,38 48.5,37.9 ; v1(78.7,42.4) v1(78.7,33.7) v1(48.5,33.7) ; v1(48.5,33.7) 48.5,37.9
VCC5V: C12.2 C17.2 C18.2 C26.2 D2.1 D6.2 D6.4 D7.8 D8.1 | length 130.2
  Top Layer w0.4: D8.1 45.834,70.9 46.134,70.6 C26.2 45.9,70.266 v1(45.9,69.2) ; C12.2 56,72.2 56.3,72.5 D2.1
  Top Layer w0.5: v1(54.744,72.207) 55.893,72.207 C12.2
  Top Layer w0.6: v1(30.505,17.6) C18.2 29.3,18.9 29.7,19.3 D7.8
  Top Layer w0.8: v2(12.692,43.197) 14.282,43.197 C17.2@14.287,43.203 ; D6.4@14.282,51.388 14.282,45.588 14.287,45.583 C17.2@14.287,43.203 ; C17.2@14.292,43.197 C17.2 C17.2@14.287,43.203
  Bottom Layer w2: v1(30.505,17.6) 18.423,17.6 12.692,23.33 v2(12.692,43.197) 12.692,45.692 15.6,48.6 28.5,48.6 30,50.1 30,64.82 31.78,66.6 46.138,66.6 ; v1(45.9,69.2) 45.9,66.838 46.138,66.6 ; v1(54.744,72.207) 54.744,68.439 52.905,66.6 46.138,66.6
VCC12V: C8.2 C14.2 C16.2 C32.2 C33.2 D1.5 D5.3 D6.3 L2.1 R1.1 R33.2 TP10.1 VD5.1 X3.1 X3.2 | length 215.2
  Top Layer w0.6: R33.2 33.445,55.3 33.99,55.845 33.99,60.9 33.653,61.236 VD5.1 32.745,61.391 TP10.1 ; R1.1 51.595,50 52.595,51 53.805,51 54.405,51.6 D1.5@54.405,53.65 ; D1.5 D1.5@54.405,53.65 ; C8.2 C8.2@56.25,53.65 ; v1(56.3,54.6) 56.3,53.7 C8.2@56.25,53.65 ; D1.5@54.405,53.65 C8.2@56.25,53.65
  Top Layer w0.8: D6.3@16.582,45.588 16.587,45.583 16.587,43.203 C16.2 16.592,43.197 16.597,43.203 16.603,43.197 v2(18.192,43.197) ; L2.1 24.39,68.2 C32.2@28.29,68.2 ; D5.3 25.405,45.595 25.405,43.214 C14.2 25.416,43.214 25.421,43.209 v2(27.01,43.209) ; C32.2 31.925,68.175 32.745,67.355 TP10.1
  Bottom Layer w2: v2(18.192,43.197) 18.192,24.408 21.6,21 86.3,21 88.93,18.37 X3.1@88.93,1.76 ; v2@18.2,43.3 18.2,44.8 19.4,46 24.219,46 v2(27.01,43.209) 30.809,43.209 32.745,45.145 TP10.1 ; 32.9,54.6 v1(56.3,54.6)
VCCIN: C27.2 C30.2 D8.6 D10.2 R30.1 R31.2 TP9.1 VT1.3 | length 93.2
  Top Layer w0.5: R30.1 R31.2 16.49,56.3 16.79,56.6 16.79,59.6 17.09,59.9 C30.2
  Top Layer w0.6: v1(17.79,61.3) C30.2 18.69,59.9 18.99,59.6 18.99,58.236 19.341,57.885 D10.2
  Bottom Layer w2: v1(17.79,61.3) 25.607,61.3 27.01,62.703 27.01,66.257 30.276,69.523 41.323,69.523 46.6,74.8 59.18,74.8 60.58,73.4 60.58,70.5 58.881,68.801 58.881,60 57.181,58.3 TP9.1
VOUT: C2.1 C3.1 C4.1 C5.1 C6.1 C7.1 D2.5 L1.1
pads on no net: D1.28 D2. D3. D4. D5. D6. D7.28 D8. D9. D10.28 D11. D12. VD1.4 VD2.4 VD3. VD4.4 VD5.4 VT1. VT2. VT3. VT4. VT5. X1. X2.6 X2.7 X2.11 X2.12 X4. X5.1 X5.2 X5.4 X5.5 X5.6 X7.4 X7.6 X8.1 X8.2 X8.4 X8.5 X8.6 X9. X10.
copper on no net:
  other v1: 3,1 97,1 2.1,1.2 3.9,1.2 95.93,1.3 98.07,1.3 1.3,1.93 4.7,1.93 95.2,2.1 98.8,2.1 1,3 5,3 95,3 99,3 95.2,3.9 98.8,3.9 1.3,4.07 4.7,4.07 95.93,4.7 98.07,4.7 2.1,4.8 3.9,4.8 3,5 97,5 3,95 97,95 96.1,95.2 97.9,95.2 1.93,95.3 4.07,95.3 95.3,95.93 98.7,95.93 1.2,96.1 4.8,96.1 1,97 5,97 95,97 99,97 1.2,97.9 4.8,97.9 95.3,98.07 98.7,98.07 1.93,98.7 4.07,98.7 96.1,98.8 97.9,98.8 3,99 97,99

## Polygon pours and split planes (outlines as drawn)
GND on Top Layer "Top Layer-GND" (solid, remove dead copper, pour order 20): 0,0 0,100 100,100 100,0
NetC1_1 on Top Layer "Top Layer-NetC1_1" (solid, pour order 18): 48.7,63 47.9,63.8 47.9,68.5 48.4,69 64.5,69 65,68.5 65,62.735 64.265,62 53.55,62 53.55,63
NetC19_1 on Top Layer "Top Layer-NetC19_1" (solid, pour order 0): 27.1,90 26.1,89 26.1,82 25.1,81 3.2,81 2.2,80 2.2,71.4 3.6,70 34.534,70 37.534,73 40.2,73 40.2,79.9 38.6,81.5 35.6,81.5 34.6,82.5 34.6,89 33.6,90
VCCIN on Top Layer "Top Layer-VIN" (solid, pour order 12): 40.5,72 41,71.5 41,69 41.5,68.5 44.478,68.5 45,67.978 45,58 44.5,57.5 38.5,57.5 37.5,58.5 37.5,71.5 38,72
VOUT on Top Layer "Top Layer-VOUT" (solid, pour order 8): 99.5,65 99.5,90 91,98.5 75.5,98.5 74,97 74,83 72,81 58.9,81 58.5,80.6 58.5,77.7 58.7,77.5 61.5,77.5 64,75 75,75 80,80 82.5,82.5 88.5,82.5 90,81 90,65 91,64 98.5,64
NetD2_6 on Top Layer "Top Layer-NetD2_6" (solid, pour order 6): 57.3,77.8 57.3,80.8 59.538,83.038 59.538,88.962 58.5,90 52.501,90 51.5,88.999 51.5,78.5 52.5,77.5 57,77.5
NetVT3_3 on Top Layer "Top Layer-NetVT3_3" (solid, pour order 4): 42.1,98 43.6,99.5 71.1,99.5 71.6,99 71.6,94 71.1,93.5 60.1,93.5 59.6,93 59.6,91.5 59.1,91 51.1,91 50.1,90 50.1,85 49.1,84 43.1,84 42.1,85
NetVT5_3 on Top Layer "Top Layer-NetVT5_3" (solid, pour order 2): 23.6,90 23.6,84.05 22.55,83 9.1,83 8.6,83.5 8.6,96.5 9.6,97.5 22.6,97.5 23.6,96.5
GND on Bottom Layer "Bottom Layer-GND" (solid, pour order 14): 0,0 0,100 100,100 100,0

## Other copper
Top Layer:
  pour cut-out: 71.5,93.5 74,93.5 74,98.5 91.5,98.5 94.1,95.9 94.408,95.9 94.408,96.229 96.5,98.321 96.5,100 71.5,100
  pour cut-out: 72,93
  region net VCC5V: 16.09,53.209 11.009,53.209 10.5,52.7 10.5,48 11.091,47.409 18,47.409 18.5,47.909 18.5,52.699 17.99,53.209
  region net VCC3V3: 24.9,53.209 19.509,53.209 18.99,52.69 18.99,47.91 19.491,47.409 26.81,47.409 27.31,47.909 27.31,52.699 26.8,53.209

## Silkscreen, mask and mechanical layers (free items; w line width, h text height)
Top Overlay:
  lines w0.5: 0.5,5 0.5,36.5 cw(c3.5,36.5) 2.551,39.346 ; 5,0.5 28.5,0.5 ; 12.5,39.5 28,39.5 ; 38,39.5 56,39.5 ; 48.5,0.5 84.5,0.5 ; 66,39.5 86.5,39.5 ; 94,0.5 95,0.5 ; 96.5,39.5 cw(c96.5,36.5) 99.5,36.5 ; 99.5,5 99.5,36.42
  text "INPUT" at 14.925,94.1 h3 r90
  text "OUTPUT" at 39.4,92.025 h3 r90
  text "-" at 21.8,82.162 h3 r180
  text "-" at 46.3,82.1 h3 r180
  text "+" at 31.2,80.912 h3 r90
  text "+" at 55.7,80.85 h3 r90
  text "H" at 8.6,61.2 h2 r90
  text "L" at 8.6,57.6 h2 r90
  text "CAN" at 0.6,54 h3
  text "A" at 8.6,49.4 h2 r90
  text "B" at 8.6,46 h2 r90
  text "RS485" at 0.6,42.4 h3
  text "\"C\"" at 39.7,35.4 h3 r90
  text "\"D\"" at 14.3,35.2 h3 r90
  text "\"B\"" at 56.5,35.1 h3 r90
  text "\"A\"" at 87,34.8 h3 r90
  text "WWW.NORDIC-ENERGY.ORG" at 98.8,8.9 h3 r90
  text "MPPT CHARGE CONTROLLER" at 53.5,1.2 h3
  text "REV. 1.00" at 10.4,1 h3
  text "\"+12V\"" at 87.2,0.7 h2 r90
  text "\"PORT\"" at 31.2,0.3 h2 r90
Top Solder:
  region: 100,42 95,42 95,52 100,52
Bottom Solder:
  region: 100,42 95,42 95,52 100,52
Border:
  the board outline again, w0.254

## Text inside footprints (layer, text, board x,y; h text height)
X1: Top Assy "2" at 45.8,90.4 h2 r180; Top Assy "1" at 55.2,90.4 h2 r180
X10: Top Assy "2" at 21.3,90.4 h2 r180; Top Assy "1" at 30.7,90.4 h2 r180